# KiCad board jetson-nano-baseboard.kicad_pcb (continued)
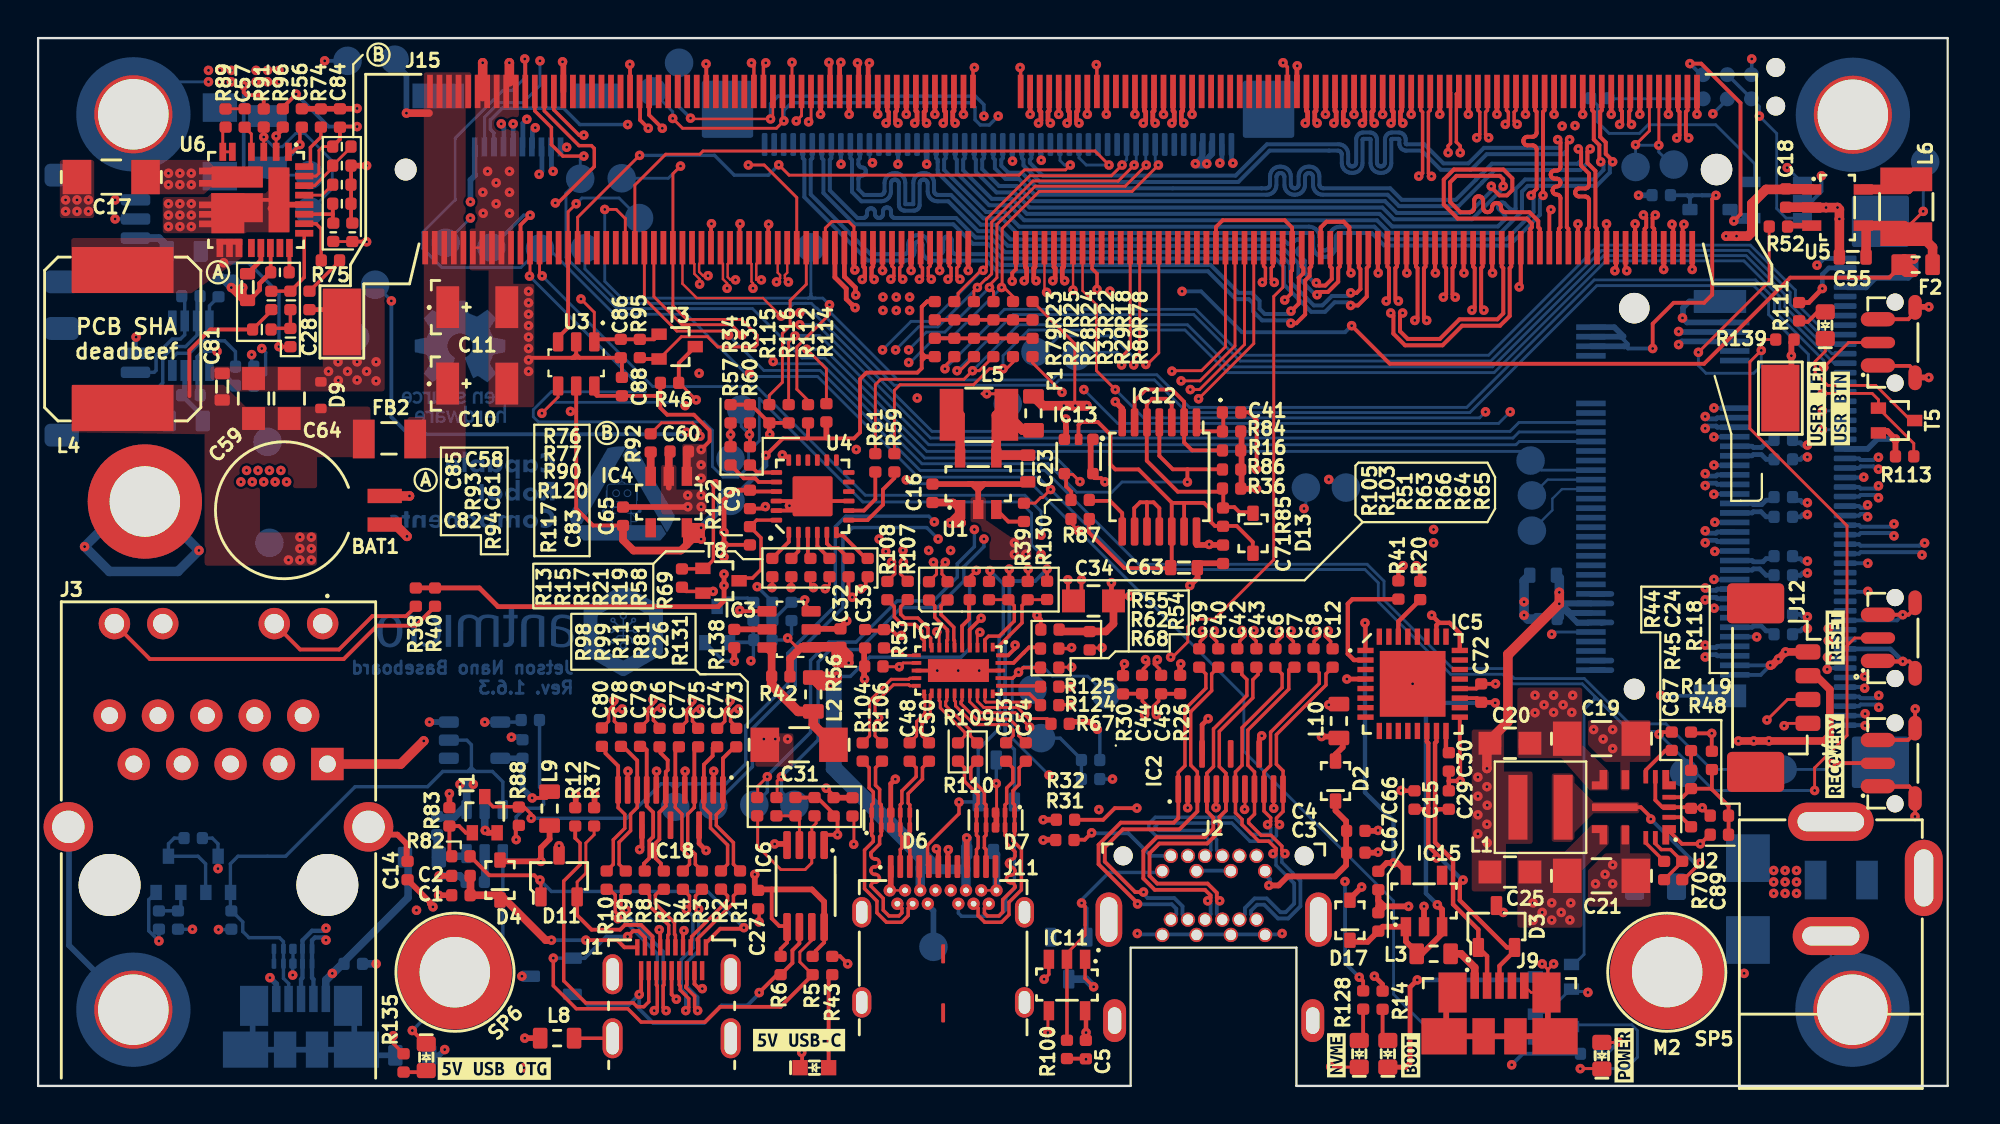
[diagram p0: board, top side]
## Routing (per net, layer and track width the routed paths; a pad name or vN(x,y) marks a point on that pad's centre or on a via; arc(x,y) is an arc through that point) (continued)
ENET_TRD3_N: length 53.4
  Top w0.125: J15.202 34.82,43.28 34.69,43.15 34.69,42.73 34.9,42.53 v1(35.16,42.53)
  In5_3V3_SYS_SIGNAL.Cu w0.125: J3.10 6.95,22.63 22.59,22.63 24.17,24.21 24.19,24.23 24.2,24.26 24.2,24.28 24.2,24.31 24.2,24.34 24.19,24.36 24.17,24.39 24.07,24.48 24.05,24.5 24.04,24.53 24.03,24.56 24.03,24.59 24.04,24.61 24.05,24.64 24.07,24.66 24.09,24.68 24.12,24.69 24.14,24.7 24.17,24.7 24.2,24.69 24.23,24.68 24.25,24.66 24.34,24.56 24.37,24.54 24.39,24.53 24.42,24.53 24.45,24.53 24.47,24.53 24.5,24.54 24.52,24.56 24.54,24.58 24.55,24.61 24.56,24.64 24.56,24.66 24.55,24.69 24.54,24.72 24.52,24.74 24.42,24.84 24.41,24.86 24.39,24.88 24.39,24.91 24.39,24.94 24.39,24.97 24.41,24.99 24.42,25.01 24.45,25.03 24.47,25.04 24.5,25.05 24.53,25.05 24.55,25.04 24.58,25.03 24.6,25.01 24.7,24.92 24.72,24.9 24.74,24.89 24.77,24.88 24.8,24.88 24.83,24.89 24.85,24.9 24.87,24.92 24.89,24.94 24.9,24.96 24.91,24.99 24.91,25.02 24.9,25.05 24.89,25.07 24.87,25.09 24.78,25.19 24.76,25.21 24.75,25.24 24.74,25.26 24.74,25.29 24.75,25.32 24.76,25.34 24.78,25.37 24.8,25.38 24.82,25.4 24.85,25.4 24.88,25.4 24.91,25.4 24.93,25.38 24.95,25.37 25.05,25.27 25.07,25.25 25.1,25.24 25.13,25.23 25.15,25.23 25.18,25.24 25.21,25.25 25.23,25.27 27.12,27.16 27.12,42.16 27.59,42.63 34.79,42.63 34.9,42.53 v1(35.16,42.53)
ENET_TRD3_P: length 53.4
  Top w0.125: v1(34.72,42.09) 34.72,42.35 34.44,42.63 34.44,43.15 34.32,43.28 J15.204
  In5_3V3_SYS_SIGNAL.Cu w0.125: v1(34.72,42.09) 34.72,42.35 34.69,42.38 27.69,42.38 27.37,42.05 27.37,27.05 22.69,22.38 7.05,22.38 5.02,20.35 J3.9
FAN_PWM: length 11.5
  Top w0.15: v1(28.24,46.31) 27.82,45.88 J15.230
  Top w0.2: J15.230 27.82,39.81 27.29,39.28 U3.3
  Bottom w0.15: TP13.1 30.49,46.61 28.54,46.61 v1(28.24,46.31)
FAN_TACH: length 23.3
  Top w0.15: v1(33.72,48.28) 33.32,47.88 33.32,40.95 34.04,40.23 36.92,40.23 37.74,39.41 37.74,38.91 37.62,38.79 35.67,38.79 35.13,39.33 33.76,39.33 T3.2
  Top w0.2: 31.64,38.22 31.71,38.16 T3.2
  Bottom w0.15: v1(33.72,48.28) 33.08,47.64 TP14.1
GEN0_SCL: length 126
  Top w0.125: 39.07,52.2 39.07,50.73 v1(39.14,50.66)
  Top w0.15: v1(39.14,50.66) 38.75,50.27 33.82,50.27 v1(33.31,50.78)
  Top w0.18: 53.58,20.01 v1(54.19,20.01)
  In2_SINGAL.Cu w0.125: v1(54.19,20.01) 54.23,20.01 56.54,22.32 56.54,23.67 55.69,24.52 55.69,28.86 55.44,29.11 55.44,32.16 54.99,32.61 52.1,32.61 51.94,32.76 51.94,38.05 55.14,41.25 55.14,42.41 50.14,47.41 50.14,50.66 v1(50.39,50.91)
  In2_SINGAL.Cu w0.15: v1(91.8,48.2) 90.73,48.2 v1(87.9,51.03) 87.22,51.71 80.84,51.71 80.54,51.41 80.54,50.53 v1(80.67,50.41)
  In3_SIGNAL.Cu w0.15: v1(39.14,50.66) 38.74,50.26 38.04,50.26 37.89,50.41 37.89,51.56 39.34,53.01 79.27,53.01 80.62,51.66 80.62,50.46 v1(80.67,50.41)
  Bottom w0.15: v1(33.31,50.78) 33.31,51.14 TP23.1 ; 92.4,47.45 92.4,47.6 v1(91.8,48.2)
  Bottom w0.18: v1(39.14,50.66) 39.14,51.21 39.54,51.61 48.94,51.61 49.18,51.37 49.18,50.71 49.45,50.44 49.93,50.44 v1(50.39,50.91) ; v1(87.9,51.03) 88.66,51.78 88.66,51.81
GEN0_SDA: length 127
  Top w0.125: 38.57,52.2 38.57,50.88 v1(38.44,50.76) 34.29,50.76 v1(34.24,50.8)
  Top w0.18: 53.58,20.96 v1(54.19,20.96)
  In2_SINGAL.Cu w0.125: v1(49.64,50.91) 49.89,50.66 49.89,47.31 54.89,42.31 54.89,41.36 51.64,38.11 51.64,32.56 51.89,32.31 54.84,32.31 55.14,32.01 55.14,29.06 55.39,28.81 55.39,24.46 56.29,23.56 56.29,22.42 54.82,20.96 v1(54.19,20.96)
  In2_SINGAL.Cu w0.15: v1(79.99,50.38) 80.14,50.53 80.14,51.61 80.74,52.21 89.04,52.21 v1(90.34,50.91)
  In3_SIGNAL.Cu w0.15: v1(38.44,50.76) 38.44,51.51 39.54,52.61 79.14,52.61 80.02,51.73 80.02,50.41 v1(79.99,50.38)
  Bottom w0.15: 92.4,45.55 91.75,45.55 91.25,46.05 91.25,50 v1(90.34,50.91) 90.34,51.41 89.94,51.81
  Bottom w0.18: 89.94,51.81 88.67,53.08 TP30.3 ; TP24.1 33.64,51.4 v1(34.24,50.8) ; v1(38.44,50.76) 38.44,51.56 38.84,51.96 49.19,51.96 49.64,51.51 v1(49.64,50.91)
HDMI_PWR: length 31.2
  Top w0.2: 41.26,8.39 41.26,7.53 40.81,7.09 40.81,6.73 ; 39.31,8.39 38.9,8.39 38.5,8.79 38.5,10.31 ; IC6.5 39.31,7.52 38.97,7.19 38.97,6.8
  Top w0.25: v1(31.57,12.41) 31.69,12.53 31.69,13.68 ; 34.69,13.68 34.69,12.72 v1(35.06,12.36)
  Top w0.3: 41.26,8.39 41.26,9.67 40.61,10.31 37.69,10.31 37.64,10.26 37.61,10.28 v1(37.61,11.1) ; 26.84,13.74 26.84,12.95 26.39,12.5 v1(26.39,11.79) 24.39,11.79 24.24,11.93
  In2_SINGAL.Cu w0.3: v1(37.61,11.1) 36.34,12.37 29.74,12.37 29.15,11.79 v1(26.39,11.79)
HDMI_SHIELD: length 6.7
  Top w0.18: 30.15,2.5 28.06,2.5
  Top w0.2: v1(33.5,4.55) 33.25,4.8 33.25,6.05 ; J1.7 33.85,8.1 v1(33.9,8.15) ; 32.65,7.28 32.65,8.15 v1(32.6,8.2) ; v1(34.86,5.11) 34.69,5.11 34.45,5.35 34.45,6.05
I2C1_SCL: length 40.3
  Top w0.18: v1(38.19,53.7) 38.07,53.58 38.07,52.2
  In3_SIGNAL.Cu w0.15: v1(4.04,46.51) 4.64,46.51 8.84,50.71 15.04,50.71 16.24,51.91 37.24,51.91 38.19,52.86 v1(38.19,53.7)
  Bottom w0.18: v1(4.04,46.51) 5.14,46.51
I2C1_SDA: length 41.6
  Top w0.18: 37.57,52.2 37.57,53.57 v1(37.44,53.7)
  In3_SIGNAL.Cu w0.15: v1(4.04,45.51) 3.44,46.11 3.44,46.71 3.84,47.11 4.69,47.11 8.69,51.11 14.84,51.11 16.04,52.31 37.04,52.31 37.44,52.71 v1(37.44,53.7)
  Bottom w0.18: v1(4.04,45.51) 5.14,45.51
I2C_MUX_RESET: length 53.4
  Top w0.18: 33.79,27.14 34.98,27.14 35.44,27.61 35.44,31.51 v1(35.54,31.61) ; J15.127 55.57,53.58 v1(55.54,53.61)
  In2_SINGAL.Cu w0.125: v1(35.54,31.61) 39.04,31.61 39.64,32.21 39.64,34.31 35.64,38.31 35.64,43.44 36.04,43.84 36.04,52.01 36.54,52.51 48.54,52.51 48.94,52.91 54.84,52.91 v1(55.54,53.61)
M2_ALERT: length 58.8
  Top w0.15: J15.212 32.32,41.43 33.79,39.96 36.39,39.96 v1(36.94,39.41) ; 41.37,35.82 41.37,37.63 v1(40.34,38.67)
  In2_SINGAL.Cu w0.15: v1(36.94,39.41) 37.68,38.67 v1(40.34,38.67)
  Bottom w0.15: 81.5,32.32 78.9,32.32 77.92,33.31 46.64,33.31 41.28,38.67 v1(40.34,38.67)
OTG_USB_D_N: length 86.4
  Top w0.25: v1(60.13,50.54) 60.01,50.66 60.01,51.12 60.07,51.19 J15.109
  In3_SIGNAL.Cu w0.16: v1(60.13,50.54) 60.13,50.18 59.96,50.01 59.96,48.14 59.35,47.53 33.57,47.53 29.88,43.83 29.88,35.54 27.77,33.43 27.77,18.73 26.27,17.23 20.77,17.23 19.98,16.45 19.98,11 16.81,7.82 15.28,7.82 v1(15.11,7.65)
  Bottom w0.23: 14.45,4.56 14.45,5.6 14.38,5.67 14.38,7.64 14.52,7.79 14.98,7.79 v1(15.11,7.65)
OTG_USB_D_P: length 86.6
  Top w0.25: v1(59.51,50.54) 59.63,50.66 59.63,51.12 59.57,51.19 J15.111
  In3_SIGNAL.Cu w0.16: v1(59.51,50.54) 59.51,50.18 59.66,50.03 59.66,48.24 59.23,47.81 33.45,47.81 29.59,43.95 29.59,35.66 27.48,33.55 27.48,18.85 26.15,17.52 20.65,17.52 19.7,16.57 19.7,11.12 16.69,8.11 15.28,8.11 v1(15.11,8.28)
  Bottom w0.23: v1(15.11,8.28) 14.98,8.14 14.38,8.14 13.88,7.64 13.88,5.67 13.8,5.6 13.8,4.56
PCIE0_CLK_N: length 66
  Top w0.18: v1(45.38,42.34) 45.22,42.5 45.22,42.94 45.32,43.03 J15.160
  In3_SIGNAL.Cu w0.185: v1(45.38,42.34) 45.22,42.5 45.22,42.94 45.94,43.65 59.5,43.65 64.39,38.77 70.13,38.77 70.22,38.78 70.31,38.81 70.39,38.86 70.45,38.93 70.5,39 70.53,39.09 70.54,39.18 70.54,39.36 70.54,39.39 70.55,39.41 70.57,39.44 70.59,39.45 70.61,39.47 70.63,39.48 70.66,39.48 70.79,39.48 70.82,39.48 70.84,39.47 70.87,39.45 70.89,39.44 70.9,39.41 70.91,39.39 70.91,39.36 70.91,38.47 70.92,38.38 70.95,38.29 71,38.22 71.06,38.15 71.14,38.1 71.23,38.07 71.32,38.06 71.5,38.06 71.6,38.07 71.68,38.1 71.76,38.15 71.82,38.22 71.87,38.29 71.9,38.38 71.91,38.47 71.91,39.31 71.91,39.33 71.92,39.34 71.93,39.35 71.94,39.36 71.95,39.37 71.96,39.38 71.98,39.38 72.22,39.38 72.23,39.38 72.24,39.37 72.26,39.36 72.27,39.35 72.28,39.34 72.28,39.33 72.28,39.31 72.28,38.47 72.29,38.38 72.32,38.29 72.37,38.22 72.44,38.15 72.51,38.1 72.6,38.07 72.69,38.06 72.88,38.06 72.97,38.07 73.05,38.1 73.13,38.15 73.19,38.22 73.24,38.29 73.27,38.38 73.28,38.47 73.28,39.36 73.29,39.39 73.3,39.41 73.31,39.44 73.33,39.45 73.35,39.47 73.37,39.48 73.4,39.48 73.54,39.48 73.56,39.48 73.59,39.47 73.61,39.45 73.63,39.44 73.64,39.41 73.65,39.39 73.65,39.36 73.65,38.47 73.66,38.38 73.69,38.29 73.74,38.22 73.81,38.15 73.88,38.1 73.97,38.07 74.06,38.06 74.25,38.06 74.34,38.07 74.42,38.1 74.5,38.15 74.57,38.22 74.61,38.29 74.64,38.38 74.65,38.47 74.65,39.36 74.66,39.39 74.67,39.41 74.68,39.44 74.7,39.45 74.72,39.47 74.75,39.48 74.77,39.48 74.91,39.48 74.93,39.48 74.96,39.47 74.98,39.45 75,39.44 75.01,39.41 75.02,39.39 75.02,39.36 75.02,38.47 75.03,38.38 75.06,38.29 75.11,38.22 75.18,38.15 75.26,38.1 75.34,38.07 75.43,38.06 75.62,38.06 75.71,38.07 75.79,38.1 75.87,38.15 75.94,38.22 75.99,38.29 76.02,38.38 76.03,38.47 76.03,39.36 76.03,39.39 76.04,39.41 76.05,39.44 76.07,39.45 76.09,39.47 76.12,39.48 76.14,39.48 76.28,39.48 76.3,39.48 76.33,39.47 76.35,39.45 76.37,39.44 76.38,39.41 76.39,39.39 76.4,39.36 76.4,38.47 76.41,38.38 76.44,38.29 76.48,38.22 76.55,38.15 76.63,38.1 76.71,38.07 76.8,38.06 76.99,38.06 77.08,38.07 77.17,38.1 77.24,38.15 77.31,38.22 77.36,38.29 77.39,38.38 77.4,38.47 77.4,39.36 77.4,39.39 77.41,39.41 77.42,39.44 77.44,39.45 77.46,39.47 77.49,39.48 77.51,39.48 77.65,39.48 77.68,39.48 77.7,39.47 77.72,39.45 77.74,39.44 77.76,39.41 77.76,39.39 77.77,39.36 77.77,38.47 77.78,38.38 77.81,38.29 77.86,38.22 77.92,38.15 78,38.1 78.08,38.07 78.17,38.06 78.36,38.06 78.45,38.07 78.54,38.1 78.61,38.15 78.68,38.22 78.73,38.29 78.76,38.38 78.77,38.47 78.77,39.36 78.77,39.39 78.78,39.41 78.79,39.44 78.81,39.45 78.83,39.47 78.86,39.48 78.89,39.48 79.02,39.48 79.05,39.48 79.07,39.47 79.09,39.45 79.11,39.44 79.13,39.41 79.13,39.39 79.14,39.36 79.14,39.18 79.15,39.09 79.18,39 79.23,38.93 79.29,38.86 79.37,38.81 79.45,38.78 79.55,38.77 81.23,38.77 85.34,34.67 86.21,34.67 86.25,34.67 86.29,34.65 86.32,34.63 86.35,34.6 86.37,34.57 86.39,34.53 86.39,34.48 86.39,34.44 86.4,34.4 86.41,34.36 86.43,34.32 86.46,34.29 86.5,34.27 86.54,34.26 86.58,34.25 86.62,34.26 86.66,34.27 86.69,34.29 86.72,34.32 86.74,34.36 86.76,34.4 86.76,34.44 86.76,34.48 86.77,34.53 86.78,34.57 86.8,34.6 86.83,34.63 86.87,34.65 86.91,34.67 86.95,34.67 87.34,34.67 v1(87.5,34.51)
  Bottom w0.25: v1(87.5,34.51) 87.62,34.64 88.07,34.64 88.13,34.57 J8.53
PCIE0_CLK_P: length 66
  Top w0.18: v1(44.76,42.34) 44.92,42.5 44.92,42.94 44.82,43.03 J15.162
  In3_SIGNAL.Cu w0.185: v1(87.5,35.14) 87.34,34.98 85.46,34.98 81.36,39.09 79.57,39.09 79.54,39.09 79.52,39.1 79.5,39.11 79.48,39.13 79.46,39.15 79.46,39.18 79.45,39.2 79.45,39.39 79.44,39.48 79.41,39.56 79.36,39.64 79.3,39.71 79.22,39.75 79.14,39.78 79.05,39.79 78.86,39.79 78.77,39.78 78.68,39.75 78.61,39.71 78.54,39.64 78.49,39.56 78.46,39.48 78.45,39.39 78.45,38.5 78.45,38.47 78.44,38.45 78.43,38.42 78.41,38.4 78.39,38.39 78.36,38.38 78.34,38.38 78.2,38.38 78.17,38.38 78.15,38.39 78.13,38.4 78.11,38.42 78.09,38.45 78.09,38.47 78.08,38.5 78.08,39.39 78.07,39.48 78.04,39.56 77.99,39.64 77.93,39.71 77.85,39.75 77.77,39.78 77.67,39.79 77.49,39.79 77.4,39.78 77.31,39.75 77.23,39.71 77.17,39.64 77.12,39.56 77.09,39.48 77.08,39.39 77.08,38.5 77.08,38.47 77.07,38.45 77.06,38.42 77.04,38.4 77.01,38.39 76.99,38.38 76.96,38.38 76.83,38.38 76.8,38.38 76.78,38.39 76.76,38.4 76.74,38.42 76.72,38.45 76.71,38.47 76.71,38.5 76.71,39.39 76.7,39.48 76.67,39.56 76.62,39.64 76.56,39.71 76.48,39.75 76.39,39.78 76.3,39.79 76.12,39.79 76.03,39.78 75.94,39.75 75.86,39.71 75.8,39.64 75.75,39.56 75.72,39.48 75.71,39.39 75.71,38.5 75.71,38.47 75.7,38.45 75.68,38.42 75.67,38.4 75.64,38.39 75.62,38.38 75.59,38.38 75.46,38.38 75.43,38.38 75.41,38.39 75.38,38.4 75.37,38.42 75.35,38.45 75.34,38.47 75.34,38.5 75.34,39.39 75.33,39.48 75.3,39.56 75.25,39.64 75.19,39.71 75.11,39.75 75.02,39.78 74.93,39.79 74.75,39.79 74.66,39.78 74.57,39.75 74.49,39.71 74.43,39.64 74.38,39.56 74.35,39.48 74.34,39.39 74.34,38.5 74.34,38.47 74.33,38.45 74.31,38.42 74.29,38.4 74.27,38.39 74.25,38.38 74.22,38.38 74.09,38.38 74.06,38.38 74.04,38.39 74.01,38.4 73.99,38.42 73.98,38.45 73.97,38.47 73.97,38.5 73.97,39.39 73.96,39.48 73.93,39.56 73.88,39.64 73.82,39.71 73.74,39.75 73.65,39.78 73.56,39.79 73.38,39.79 73.28,39.78 73.2,39.75 73.12,39.71 73.06,39.64 73.01,39.56 72.98,39.48 72.97,39.39 72.97,38.5 72.96,38.47 72.96,38.45 72.94,38.42 72.92,38.4 72.9,38.39 72.88,38.38 72.85,38.38 72.72,38.38 72.69,38.38 72.66,38.39 72.64,38.4 72.62,38.42 72.61,38.45 72.6,38.47 72.6,38.5 72.6,39.33 72.59,39.41 72.56,39.49 72.52,39.56 72.46,39.62 72.39,39.66 72.32,39.69 72.24,39.69 71.96,39.69 71.88,39.69 71.8,39.66 71.73,39.62 71.68,39.56 71.63,39.49 71.61,39.41 71.6,39.33 71.6,38.5 71.59,38.47 71.59,38.45 71.57,38.42 71.55,38.4 71.53,38.39 71.51,38.38 71.48,38.38 71.34,38.38 71.32,38.38 71.29,38.39 71.27,38.4 71.25,38.42 71.24,38.45 71.23,38.47 71.23,38.5 71.23,39.39 71.22,39.48 71.19,39.56 71.14,39.64 71.07,39.71 71,39.75 70.91,39.78 70.82,39.79 70.63,39.79 70.54,39.78 70.46,39.75 70.38,39.71 70.31,39.64 70.27,39.56 70.24,39.48 70.23,39.39 70.23,39.2 70.22,39.18 70.21,39.15 70.2,39.13 70.18,39.11 70.16,39.1 70.13,39.09 70.11,39.09 64.51,39.09 59.63,43.96 45.74,43.96 44.91,43.14 44.91,42.5 v1(44.76,42.34)
  Bottom w0.25: v1(87.5,35.14) 87.62,35.01 88.07,35.01 88.13,35.07 J8.55
PCIE0_RX0_N: length 66
  Top w0.25: J15.131 54.57,51.19 54.51,51.12 54.51,50.66 v1(54.63,50.54)
  In5_3V3_SYS_SIGNAL.Cu w0.195: v1(87.5,31.51) 87.65,31.66 88.94,31.66 89.37,32.09 89.37,32.99 88.89,33.46 86.91,33.46 86.69,33.68 86.69,34.32 82.11,38.9 82.11,42.61 78.67,46.06 72.57,46.06 70.78,47.85 70.64,47.85 70.64,47.85 70.36,47.85 69.27,47.85 69.16,47.84 69.05,47.8 68.96,47.74 68.88,47.67 68.83,47.58 68.79,47.47 68.78,47.36 68.78,46.93 68.77,46.89 68.76,46.85 68.74,46.81 68.71,46.78 68.67,46.76 68.63,46.74 68.58,46.74 68.54,46.74 68.5,46.76 68.46,46.78 68.43,46.81 68.41,46.85 68.39,46.89 68.39,46.93 68.39,48.62 68.38,48.73 68.34,48.84 68.28,48.93 68.2,49.01 68.11,49.06 68.01,49.1 67.9,49.11 67.84,49.11 67.73,49.1 67.63,49.06 67.54,49.01 67.46,48.93 67.4,48.84 67.37,48.73 67.35,48.62 67.35,46.93 67.35,46.89 67.33,46.85 67.31,46.81 67.28,46.78 67.24,46.76 67.2,46.74 67.16,46.74 67.12,46.74 67.07,46.76 67.04,46.78 67.01,46.81 66.98,46.85 66.97,46.89 66.96,46.93 66.96,48.62 66.95,48.73 66.92,48.84 66.86,48.93 66.78,49.01 66.69,49.06 66.58,49.1 66.48,49.11 66.42,49.11 66.31,49.1 66.2,49.06 66.11,49.01 66.04,48.93 65.98,48.84 65.94,48.73 65.93,48.62 65.93,46.93 65.92,46.89 65.91,46.85 65.89,46.81 65.86,46.78 65.82,46.76 65.78,46.74 65.73,46.74 65.69,46.74 65.65,46.76 65.61,46.78 65.58,46.81 65.56,46.85 65.54,46.89 65.54,46.93 65.54,48.62 65.53,48.73 65.49,48.84 65.43,48.93 65.36,49.01 65.26,49.06 65.16,49.1 65.05,49.11 64.99,49.11 64.88,49.1 64.78,49.06 64.69,49.01 64.61,48.93 64.55,48.84 64.52,48.73 64.5,48.62 64.5,46.93 64.5,46.89 64.48,46.85 64.46,46.81 64.43,46.78 64.39,46.76 64.35,46.74 64.31,46.74 64.27,46.74 64.22,46.76 64.19,46.78 64.16,46.81 64.13,46.85 64.12,46.89 64.11,46.93 64.11,47.36 64.1,47.47 64.07,47.58 64.01,47.67 63.93,47.74 63.84,47.8 63.74,47.84 63.63,47.85 55.87,47.85 54.48,49.24 54.48,50.38 v1(54.63,50.54)
  Bottom w0.25: v1(87.5,31.51) 87.62,31.64 88.07,31.64 88.13,31.58 89.05,31.58
PCIE0_RX0_P: length 66
  Top w0.25: v1(54.01,50.54) 54.13,50.66 54.13,51.12 54.07,51.19 J15.133
  In5_3V3_SYS_SIGNAL.Cu w0.195: v1(87.5,32.14) 87.65,31.98 88.81,31.98 89.05,32.23 89.05,32.85 88.76,33.14 86.78,33.14 86.37,33.54 86.37,34.19 85.39,35.17 85.36,35.19 85.32,35.21 85.28,35.22 85.23,35.22 85.19,35.21 85.15,35.19 85.12,35.17 85.09,35.14 85.05,35.11 85.01,35.09 84.97,35.08 84.93,35.08 84.88,35.09 84.84,35.11 84.81,35.14 84.78,35.17 84.76,35.21 84.75,35.25 84.75,35.3 84.76,35.34 84.78,35.38 84.81,35.41 84.84,35.44 84.87,35.48 84.89,35.52 84.9,35.56 84.9,35.6 84.89,35.64 84.87,35.68 84.84,35.72 81.79,38.77 81.79,42.48 78.54,45.74 72.44,45.74 70.64,47.53 69.3,47.53 69.25,47.52 69.21,47.51 69.17,47.49 69.14,47.46 69.12,47.42 69.11,47.38 69.1,47.33 69.1,46.9 69.09,46.8 69.05,46.69 68.99,46.6 68.92,46.52 68.82,46.47 68.72,46.43 68.61,46.42 68.55,46.42 68.45,46.43 68.34,46.47 68.25,46.52 68.17,46.6 68.11,46.69 68.08,46.8 68.07,46.9 68.07,48.59 68.06,48.64 68.05,48.68 68.02,48.72 67.99,48.75 67.96,48.77 67.91,48.78 67.87,48.79 67.83,48.78 67.79,48.77 67.75,48.75 67.72,48.72 67.7,48.68 67.68,48.64 67.68,48.59 67.68,46.9 67.66,46.8 67.63,46.69 67.57,46.6 67.49,46.52 67.4,46.47 67.3,46.43 67.19,46.42 67.13,46.42 67.02,46.43 66.92,46.47 66.82,46.52 66.75,46.6 66.69,46.69 66.65,46.8 66.64,46.9 66.64,48.59 66.64,48.64 66.62,48.68 66.6,48.72 66.57,48.75 66.53,48.77 66.49,48.78 66.45,48.79 66.4,48.78 66.36,48.77 66.32,48.75 66.29,48.72 66.27,48.68 66.26,48.64 66.25,48.59 66.25,46.9 66.24,46.8 66.2,46.69 66.14,46.6 66.07,46.52 65.98,46.47 65.87,46.43 65.76,46.42 65.7,46.42 65.6,46.43 65.49,46.47 65.4,46.52 65.32,46.6 65.26,46.69 65.23,46.8 65.22,46.9 65.22,48.59 65.21,48.64 65.2,48.68 65.17,48.72 65.14,48.75 65.11,48.77 65.06,48.78 65.02,48.79 64.98,48.78 64.94,48.77 64.9,48.75 64.87,48.72 64.85,48.68 64.83,48.64 64.83,48.59 64.83,46.9 64.81,46.8 64.78,46.69 64.72,46.6 64.64,46.52 64.55,46.47 64.45,46.43 64.34,46.42 64.28,46.42 64.17,46.43 64.07,46.47 63.98,46.52 63.9,46.6 63.84,46.69 63.8,46.8 63.79,46.9 63.79,47.33 63.79,47.38 63.77,47.42 63.75,47.46 63.72,47.49 63.68,47.51 63.64,47.52 63.6,47.53 55.74,47.53 54.16,49.11 54.16,50.38 v1(54.01,50.54)
  Bottom w0.25: v1(87.5,32.14) 87.62,32.01 88.07,32.01 88.13,32.07 J8.43
PCIE0_RX1_N: length 66
  Top w0.25: J15.137 53.07,51.19 53.01,51.12 53.01,50.66 v1(53.13,50.54)
  In5_3V3_SYS_SIGNAL.Cu w0.195: v1(53.13,50.54) 52.98,50.38 52.98,49.72 53.63,49.06 53.63,47.69 55.23,46.09 55.95,46.09 56.06,46.08 56.16,46.04 56.25,45.98 56.33,45.9 56.39,45.81 56.43,45.71 56.44,45.6 56.44,45.41 56.44,45.37 56.46,45.32 56.48,45.29 56.51,45.26 56.55,45.23 56.59,45.22 56.63,45.21 56.68,45.22 56.72,45.23 56.75,45.26 56.79,45.29 56.81,45.32 56.82,45.37 56.83,45.41 56.83,45.93 56.83,46.62 56.84,46.73 56.88,46.83 56.93,46.93 57.01,47 57.1,47.06 57.21,47.1 57.32,47.11 57.38,47.11 57.48,47.1 57.59,47.06 57.68,47 57.76,46.93 57.81,46.83 57.85,46.73 57.86,46.62 57.86,45.41 57.87,45.37 57.88,45.32 57.91,45.29 57.94,45.26 57.97,45.23 58.01,45.22 58.06,45.21 58.1,45.22 58.14,45.23 58.18,45.26 58.21,45.29 58.23,45.32 58.25,45.37 58.25,45.41 58.25,46.62 58.26,46.73 58.3,46.83 58.36,46.93 58.44,47 58.53,47.06 58.63,47.1 58.74,47.11 58.8,47.11 58.91,47.1 59.01,47.06 59.1,47 59.18,46.93 59.24,46.83 59.28,46.73 59.29,46.62 59.29,45.41 59.29,45.37 59.31,45.32 59.33,45.29 59.36,45.26 59.4,45.23 59.44,45.22 59.48,45.21 59.53,45.22 59.57,45.23 59.6,45.26 59.63,45.29 59.66,45.32 59.67,45.37 59.68,45.41 59.68,46.62 59.69,46.73 59.73,46.83 59.78,46.93 59.86,47 59.95,47.06 60.06,47.1 60.16,47.11 60.22,47.11 60.33,47.1 60.44,47.06 60.53,47 60.61,46.93 60.66,46.83 60.7,46.73 60.71,46.62 60.71,46.28 60.72,46.24 60.73,46.2 60.75,46.16 60.79,46.13 60.82,46.11 60.86,46.09 60.91,46.09 70.36,46.09 71.13,45.31 78.17,45.31 81.04,42.44 81.04,38.34 85.26,34.12 85.26,30.99 85.84,30.42 88.8,30.42 89.31,29.91 89.31,29.1 88.88,28.67 87.65,28.66 v1(87.5,28.51)
  Bottom w0.25: v1(87.5,28.51) 87.62,28.64 88.07,28.64 88.13,28.58 89.05,28.58
PCIE0_RX1_P: length 66
  Top w0.25: v1(52.51,50.54) 52.63,50.66 52.63,51.12 52.57,51.19 J15.139
  In5_3V3_SYS_SIGNAL.Cu w0.195: v1(52.51,50.54) 52.66,50.38 52.66,49.58 53.31,48.92 53.31,47.55 55.1,45.76 55.92,45.76 55.96,45.76 56,45.75 56.04,45.72 56.07,45.69 56.1,45.65 56.11,45.61 56.12,45.57 56.12,45.38 56.13,45.27 56.16,45.17 56.22,45.08 56.3,45 56.39,44.94 56.49,44.9 56.6,44.89 56.66,44.89 56.77,44.9 56.87,44.94 56.97,45 57.04,45.08 57.1,45.17 57.14,45.27 57.15,45.38 57.15,45.93 57.15,46.59 57.16,46.64 57.17,46.68 57.19,46.71 57.22,46.75 57.26,46.77 57.3,46.78 57.35,46.79 57.39,46.78 57.43,46.77 57.47,46.75 57.5,46.71 57.52,46.68 57.54,46.64 57.54,46.59 57.54,45.38 57.55,45.27 57.59,45.17 57.65,45.08 57.72,45 57.82,44.94 57.92,44.9 58.03,44.89 58.09,44.89 58.2,44.9 58.3,44.94 58.39,45 58.47,45.08 58.53,45.17 58.56,45.27 58.58,45.38 58.58,46.59 58.58,46.64 58.59,46.68 58.62,46.71 58.65,46.75 58.69,46.77 58.73,46.78 58.77,46.79 58.81,46.78 58.85,46.77 58.89,46.75 58.92,46.71 58.95,46.68 58.96,46.64 58.97,46.59 58.97,45.38 58.98,45.27 59.01,45.17 59.07,45.08 59.15,45 59.24,44.94 59.34,44.9 59.45,44.89 59.51,44.89 59.62,44.9 59.72,44.94 59.82,45 59.89,45.08 59.95,45.17 59.99,45.27 60,45.38 60,46.59 60,46.64 60.02,46.68 60.04,46.71 60.07,46.75 60.11,46.77 60.15,46.78 60.19,46.79 60.24,46.78 60.28,46.77 60.32,46.75 60.35,46.71 60.37,46.68 60.38,46.64 60.39,46.59 60.39,46.25 60.4,46.14 60.44,46.04 60.5,45.95 60.57,45.87 60.67,45.81 60.77,45.78 60.88,45.76 70.23,45.76 71,44.99 78.04,44.99 80.72,42.31 80.72,38.21 84.94,33.99 84.94,30.86 85.7,30.1 86.29,30.1 86.34,30.09 86.39,30.07 86.43,30.05 86.47,30.01 86.5,29.97 86.51,29.92 86.52,29.87 86.52,29.85 86.52,29.8 86.54,29.75 86.57,29.71 86.6,29.68 86.65,29.65 86.69,29.63 86.74,29.63 86.79,29.63 86.84,29.65 86.88,29.68 86.92,29.71 86.95,29.75 86.96,29.8 86.97,29.85 86.97,29.87 86.97,29.92 86.99,29.97 87.02,30.01 87.05,30.05 87.1,30.07 87.14,30.09 87.19,30.1 88.67,30.1 88.99,29.78 88.99,29.27 88.71,28.99 87.65,28.99 v1(87.5,29.14)
  Bottom w0.25: v1(87.5,29.14) 87.62,29.01 88.07,29.01 88.13,29.08 89.05,29.08
PCIE0_RX2_N: length 66
  Top w0.25: 48.07,52.2 48.07,51.19 48.01,51.12 48.01,50.66 v1(48.13,50.54)
  In5_3V3_SYS_SIGNAL.Cu w0.185: 83.84,30.1 86.47,27.48 ; 53.67,44.47 61.2,44.47 61.24,44.47 61.28,44.49 61.32,44.51 61.35,44.54 61.37,44.57 61.39,44.61 61.39,44.66 61.39,44.87 61.4,44.98 61.44,45.08 61.5,45.17 61.57,45.24 61.66,45.3 61.76,45.34 61.87,45.35 61.93,45.35 62.04,45.34 62.14,45.3 62.23,45.24 62.31,45.17 62.36,45.08 62.4,44.98 62.41,44.87 62.41,44.66 62.42,44.61 62.43,44.57 62.45,44.54 62.48,44.51 62.52,44.49 62.56,44.47 62.6,44.47 62.64,44.47 62.68,44.49 62.72,44.51 62.75,44.54 62.77,44.57 62.79,44.61 62.79,44.66 62.79,44.87 62.8,44.98 62.84,45.08 62.9,45.17 62.97,45.24 63.06,45.3 63.16,45.34 63.27,45.35 63.33,45.35 63.44,45.34 63.54,45.3 63.63,45.24 63.71,45.17 63.76,45.08 63.8,44.98 63.81,44.87 63.81,44.66 63.82,44.61 63.83,44.57 63.85,44.54 63.88,44.51 63.92,44.49 63.96,44.47 64,44.47 64.04,44.47 64.08,44.49 64.12,44.51 64.15,44.54 64.17,44.57 64.19,44.61 64.19,44.66 64.19,44.87 64.2,44.98 64.24,45.08 64.3,45.17 64.37,45.24 64.46,45.3 64.56,45.34 64.67,45.35 64.73,45.35 64.84,45.34 64.94,45.3 65.03,45.24 65.11,45.17 65.16,45.08 65.2,44.98 65.21,44.87 65.21,44.66 65.22,44.61 65.23,44.57 65.25,44.54 65.28,44.51 65.32,44.49 65.36,44.47 65.4,44.47 77.8,44.47
  In5_3V3_SYS_SIGNAL.Cu w0.195: v1(87.5,25.51) 87.65,25.66 88.83,25.66 89.19,26.02 89.19,27.15 88.86,27.48 86.47,27.48 ; 53.67,44.47 47.98,50.16 47.98,50.38 v1(48.13,50.54) ; 77.8,44.47 79.95,42.32 79.95,37.96 83.84,34.06 83.84,30.1
  Bottom w0.25: v1(87.5,25.51) 87.62,25.64 88.07,25.64 88.13,25.57 89.05,25.57
PCIE0_RX2_P: length 66
  Top w0.25: v1(47.51,50.54) 47.63,50.66 47.63,51.12 47.57,51.19 47.57,52.2
  In5_3V3_SYS_SIGNAL.Cu w0.185: 83.52,29.97 84.45,29.04 84.48,29.01 84.49,28.97 84.5,28.93 84.5,28.89 84.49,28.85 84.48,28.82 84.45,28.78 84.41,28.74 84.38,28.71 84.36,28.67 84.35,28.63 84.35,28.59 84.36,28.55 84.38,28.51 84.41,28.48 84.44,28.45 84.48,28.43 84.52,28.42 84.56,28.42 84.6,28.43 84.64,28.45 84.67,28.48 84.71,28.52 84.74,28.55 84.78,28.56 84.82,28.57 84.86,28.57 84.9,28.56 84.94,28.55 84.97,28.52 86.34,27.16 ; 77.66,44.15 65.37,44.15 65.26,44.16 65.16,44.19 65.07,44.25 65,44.33 64.94,44.42 64.9,44.52 64.89,44.63 64.89,44.84 64.89,44.88 64.87,44.92 64.85,44.96 64.82,44.99 64.78,45.01 64.74,45.02 64.7,45.03 64.66,45.02 64.62,45.01 64.58,44.99 64.55,44.96 64.53,44.92 64.52,44.88 64.51,44.84 64.51,44.63 64.5,44.52 64.46,44.42 64.41,44.33 64.33,44.25 64.24,44.19 64.14,44.16 64.03,44.15 63.97,44.15 63.86,44.16 63.76,44.19 63.67,44.25 63.6,44.33 63.54,44.42 63.5,44.52 63.49,44.63 63.49,44.84 63.49,44.88 63.47,44.92 63.45,44.96 63.42,44.99 63.38,45.01 63.34,45.02 63.3,45.03 63.26,45.02 63.22,45.01 63.18,44.99 63.15,44.96 63.13,44.92 63.12,44.88 63.11,44.84 63.11,44.63 63.1,44.52 63.06,44.42 63.01,44.33 62.93,44.25 62.84,44.19 62.74,44.16 62.63,44.15 62.57,44.15 62.46,44.16 62.36,44.19 62.27,44.25 62.2,44.33 62.14,44.42 62.1,44.52 62.09,44.63 62.09,44.84 62.09,44.88 62.07,44.92 62.05,44.96 62.02,44.99 61.98,45.01 61.94,45.02 61.9,45.03 61.86,45.02 61.82,45.01 61.78,44.99 61.75,44.96 61.73,44.92 61.72,44.88 61.71,44.84 61.71,44.63 61.7,44.52 61.66,44.42 61.61,44.33 61.53,44.25 61.44,44.19 61.34,44.16 61.23,44.15 53.54,44.15
  In5_3V3_SYS_SIGNAL.Cu w0.195: 77.66,44.15 79.63,42.18 79.63,37.83 83.52,33.93 83.52,29.97 ; 86.34,27.16 88.71,27.16 88.87,27 88.87,26.16 88.7,25.98 87.65,25.98 v1(87.5,26.14) ; 53.54,44.15 47.66,50.03 47.66,50.38 v1(47.51,50.54)
  Bottom w0.25: v1(87.5,26.14) 87.62,26.01 88.07,26.01 88.13,26.07 89.05,26.07
PCIE0_RX3_N: length 66.1
  Top w0.25: 46.57,52.2 46.57,51.19 46.51,51.12 46.51,50.66 v1(46.63,50.54)
  In5_3V3_SYS_SIGNAL.Cu w0.195: v1(87.5,22.51) 87.65,22.66 88.2,22.66 88.67,23.13 88.67,23.89 88.28,24.27 86.87,24.27 82.36,28.78 82.36,33.88 78.6,37.64 78.6,42.53 77.63,43.49 76.63,43.49 57.38,43.49 57.27,43.48 57.18,43.44 57.09,43.39 57.02,43.32 56.97,43.23 56.93,43.14 56.92,43.03 56.92,42.85 56.92,42.81 56.9,42.78 56.89,42.75 56.86,42.72 56.83,42.7 56.79,42.69 56.76,42.68 56.69,42.68 56.66,42.69 56.62,42.7 56.59,42.72 56.57,42.75 56.55,42.78 56.53,42.81 56.53,42.85 56.53,43.03 56.52,43.14 56.49,43.23 56.43,43.32 56.36,43.39 56.27,43.44 56.18,43.48 56.08,43.49 53.03,43.49 46.48,50.04 46.48,50.38 v1(46.63,50.54)
  Bottom w0.25: v1(87.5,22.51) 87.62,22.64 88.07,22.64 88.13,22.58 89.05,22.58
